# Altium PCB P01-AUDIO.PcbDoc (continued)
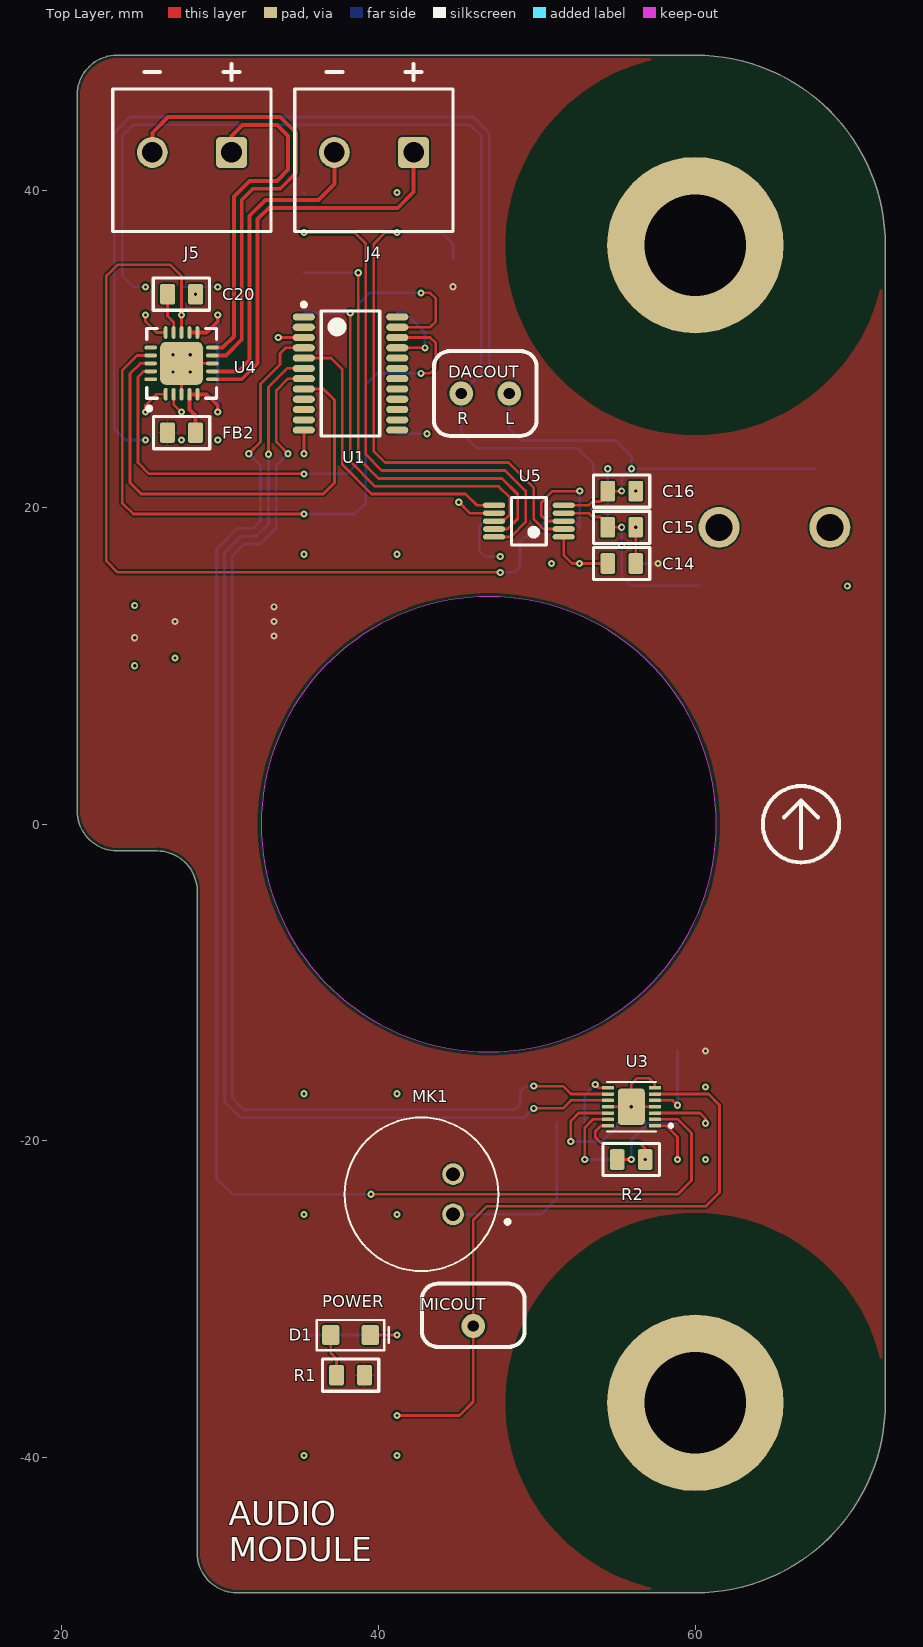
[diagram p0: Top Layer view]
## Footprints (in the part's own frame and the unit in brackets; to place one, negate y for a bottom-side part, rotate by r counter-clockwise, add the part's x,y. Pads: shape width x height; smd on the part's side, far side on the other; paste and mask are expansions set on the pad) (continued)
  silkscreen extent -3.07,-3.95 1.85,4.47, body extent -3.3,-3.95 3.3,3.95, height 1.09
RC0805FR-7W100KL [mm] "RES 100K OHM 1% 1/4W 0805"
  rrect25% 0.93x1.3 smd: 1(-0.885,0) 2(0.885,0)
  silkscreen extent -1.77,-1.02 1.78,1.02, body extent -1.02,-0.63 1.02,0.63, height 0.64
RC0805FR-7W330RL [mm] "RES 330 OHM 1% 1/4W 0805"
  rrect25% 0.93x1.3 smd: 1(-0.885,0) 2(0.885,0)
  silkscreen extent -1.77,-1.02 1.78,1.02, body extent -1.02,-0.64 1.01,0.63, height 0.64
RC0805FR-072K2L [mm] "RES 2.2K OHM 1% 1/8W 0805"
  rrect25% 0.93x1.3 smd: 1(-0.885,0) 2(0.885,0)
  silkscreen extent -1.77,-1.02 1.78,1.02, body extent -1.01,-0.63 1.02,0.64, height 0.64
RC0805FR-074K7L [mm] "RES 4.7K OHM 1% 1/8W 0805"
  rrect25% 0.93x1.3 smd: 1(-0.885,0) 2(0.885,0)
  silkscreen extent -1.77,-1.02 1.78,1.02, body extent -1.02,-0.64 1.01,0.63, height 0.64
RC0805FR-07150KL [mm] "RES 150K OHM 1% 1/8W 0805"
  rrect25% 0.93x1.3 smd: 1(-0.885,0) 2(0.885,0)
  silkscreen extent -1.77,-1.02 1.78,1.02, body extent -1.01,-0.63 1.02,0.64, height 0.64
SJ-3523-SMT-TR [mm] "CONN JACK STEREO 3.5MM SMD R/A"
  rrect25% 2.2x2.8 smd: 1(-1.1,-3.7) 3(0.9,3.7)
  rrect25% 2.8x2.8 smd: 2(8.3,-3.7)
  round 2.589 hole 1.7 unplated: ""(0,0) ""(7,0)
  silkscreen extent -2.6,-3 11,3, body extent -6,-4.5 11,4.5, height 5
TAJR104K035RNJ [mm] "CAP TANT 0.1UF 10% 35V 0805"
  rrect25% 0.93x1.3 smd: 1(-0.885,0) 2(0.885,0)
  silkscreen extent -1.77,-1.02 1.78,1.02, body extent -1.02,-0.65 1.02,0.65, height 1.2
TAJR106M006RNJ [mm] "CAP TANT 10UF 20% 6.3V 0805"
  rrect25% 0.93x1.3 smd: 1(-0.885,0) 2(0.885,0)
  silkscreen extent -1.77,-1.02 1.78,1.02, body extent -1.02,-0.65 1.02,0.65, height 1.2
TAJR225K020RNJ [mm] "CAP TANT 2.2UF 10% 20V 0805"
  rrect25% 0.93x1.3 smd: 1(-0.885,0) 2(0.885,0)
  silkscreen extent -1.77,-1.02 1.78,1.02, body extent -1.02,-0.65 1.02,0.65, height 1.2
TAJR474K020RNJ [mm] "CAP TANT 0.47UF 10% 20V 0805"
  rrect25% 0.93x1.3 smd: 1(-0.885,0) 2(0.885,0)
  silkscreen extent -1.77,-1.02 1.78,1.02, body extent -1.02,-0.65 1.02,0.65, height 1.2
TB001-500-02BE [mm] "TERMINAL BLOCK, SCREW TYPE, 5.00"
  rrect25% 1.95x1.95 / inner round 1.95 / far side rrect25% 1.95x1.95 hole 1.3: 1(0,0)
  round 1.95 hole 1.3: 2(5,0)
  silkscreen extent -2.5,-4 7.5,5, body extent -3,-4 7.5,5, height 12.5
TLV1117LV33DCYR [mm] "IC REG LINEAR 3.3V 1A SOT223-4"
  rrect25% 1.75x0.9 smd: 1(-3.125,2.3) 2(-3.125,0) 3(-3.125,-2.3)
  rrect25% 1.75x3.2 smd: 2(3.125,0)
  silkscreen extent -3.25,-3.35 1.95,3.42, body extent -3.5,-3.25 3.5,3.25, height 1.8
TPA2016D2RTJR [mm] "IC AMP CLASS D STEREO 2.8W 20QFN"
  oval 0.8x0.25 smd: 1(-1.95,1) 2(-1.95,0.5) 3(-1.95,0) 4(-1.95,-0.5) 5(-1.95,-1) 11(1.95,-1) 12(1.95,-0.5) 13(1.95,0) 14(1.95,0.5) 15(1.95,1)
  oval 0.25x0.8 smd: 6(-1,-1.95) 7(-0.5,-1.95) 8(0,-1.95) 9(0.5,-1.95) 10(1,-1.95) 16(1,1.95) 17(0.5,1.95) 18(0,1.95) 19(-0.5,1.95) 20(-1,1.95)
  round 0.5 hole 0.2: 21(-0.55,-0.55) 21(-0.55,0.55) 21(0.55,-0.55) 21(0.55,0.55)
  rrect25% 2.7x2.7 smd: 21(0,0)
  silkscreen extent -2.97,-2.2 2.2,2.2, body extent -2.02,-2.02 2.02,2.02, height 0.8

## Part data
C1 C2 C9 C10 C19 C20: library part CL21B105KAFNFNE, "CAP CER 1UF 25V X7R 0805", Capacitance="1 µF", Operating Temperature="-55°C ~ 125°C", Package / Case="0805 (2012 Metric)", Temperature Coefficient=X7R, Tolerance=±10%, Voltage - Rated=25V, Applications="General Purpose", Mounting Type="Surface Mount, MLCC", Size / Dimension="0.079\" L x 0.049\" W (2.00mm x 1.25mm)", Supplier 1="Arrow Electronics", Supplier Part Number 1=CL21B105KAFNFNE, Thickness (Max)="0.053\" (1.35mm)"
C3 C13 C14 C15 C16: library part CL21B104KACNNNC, "CAP CER 0.1UF 25V X7R 0805", Capacitance="0.1 µF", Operating Temperature="-55°C ~ 125°C", Package / Case="0805 (2012 Metric)", Temperature Coefficient=X7R, Tolerance=±10%, Voltage - Rated=25V, Applications="General Purpose", ComponentLink1Description=Datasheet, ComponentLink1URL=https://media.digikey.com/pdf/Data%20Sheets/Samsung%20PDFs/CL21B105KAFNNNE_Spec.pdf, Mounting Type="Surface Mount, MLCC", Size / Dimension="0.079\" L x 0.049\" W (2.00mm x 1.25mm)", Supplier 1="Arrow Electronics", Supplier Part Number 1=CL21B104KACNNNC, Thickness (Max)="0.037\" (0.95mm)"
C4 C6 C21: library part TAJR104K035RNJ, "CAP TANT 0.1UF 10% 35V 0805", Capacitance="0.1 µF", ESR (Equivalent Series Resistance)=29Ohm, Manufacturer Size Code=R, Operating Temperature="-55°C ~ 125°C", Package / Case="0805 (2012 Metric)", Supplier Part Number 1=478-8926-1-ND, Tolerance=±10%, Voltage - Rated="35 V", Features="General Purpose", Height - Seated (Max)="0.047\" (1.20mm)", Mounting Type="Surface Mount", Size / Dimension="0.081\" L x 0.051\" W (2.05mm x 1.30mm)", Supplier 1=Digi-Key, Type=Molded
C5 C8: library part TAJR225K020RNJ, "CAP TANT 2.2UF 10% 20V 0805", Capacitance="2.2 µF", ESR (Equivalent Series Resistance)=6Ohm, Manufacturer Size Code=R, Operating Temperature="-55°C ~ 125°C", Package / Case="0805 (2012 Metric)", Supplier Part Number 1=478-4693-1-ND, Tolerance=±10%, Voltage - Rated="20 V", Features="General Purpose", Height - Seated (Max)="0.047\" (1.20mm)", Mounting Type="Surface Mount", Size / Dimension="0.081\" L x 0.051\" W (2.05mm x 1.30mm)", Supplier 1=Digi-Key, Type=Molded
C7: library part TAJR474K020RNJ, "CAP TANT 0.47UF 10% 20V 0805", Capacitance="0.47 µF", ESR (Equivalent Series Resistance)=25Ohm, Manufacturer Size Code=R, Operating Temperature="-55°C ~ 125°C", Package / Case="0805 (2012 Metric)", Supplier Part Number 1=478-3964-1-ND, Tolerance=±10%, Voltage - Rated="20 V", Features="General Purpose", Height - Seated (Max)="0.047\" (1.20mm)", Mounting Type="Surface Mount", Size / Dimension="0.081\" L x 0.051\" W (2.05mm x 1.30mm)", Supplier 1=Digi-Key, Type=Molded
C11 C12: library part TAJR106M006RNJ, "CAP TANT 10UF 20% 6.3V 0805", Capacitance="10 µF", ESR (Equivalent Series Resistance)=6Ohm, Manufacturer Size Code=R, Operating Temperature="-55°C ~ 125°C", Package / Case="0805 (2012 Metric)", Tolerance=±20%, Voltage - Rated="6.3 V", Features="General Purpose", Height - Seated (Max)="0.047\" (1.20mm)", Mounting Type="Surface Mount", Size / Dimension="0.081\" L x 0.051\" W (2.05mm x 1.30mm)", Supplier 1="Arrow Electronics", Supplier Part Number 1=TAJR106M006RNJ, Type=Molded
C17 C18: library part CL21B106KPQNFNE, "CAP CER 10UF 10V X7R 0805", Capacitance="10 µF", Operating Temperature="-55°C ~ 125°C", Package / Case="0805 (2012 Metric)", Temperature Coefficient=X7R, Tolerance=±10%, Voltage - Rated=10V, Applications="General Purpose", Mounting Type="Surface Mount, MLCC", Size / Dimension="0.079\" L x 0.049\" W (2.00mm x 1.25mm)", Supplier 1="Arrow Electronics", Supplier Part Number 1=CL21B106KPQNFNE, Thickness (Max)="0.053\" (1.35mm)"
D1: "LED GREEN CLEAR CHIP SMD", Color=Green, Current - Test=20mA, Lens Color=Colorless, Millicandela Rating=12mcd, Package / Case="0805 (2012 Metric)", Supplier Device Package="Chip LED", Supplier Part Number 1=160-1423-1-ND, Voltage - Forward (Vf) (Typ)=2.1V, Configuration=Standard, Height (Max)=0.90mm, Lens Size="1.40mm x 1.25mm", Lens Style="Rectangle with Flat Top", Lens Transparency=Clear, Mounting Type="Surface Mount", Size / Dimension="2.00mm L x 1.25mm W", Supplier 1=Digi-Key, Viewing Angle=130°, Wavelength - Dominant=569nm, Wavelength - Peak=565nm
FB1 FB3: "FERRITE BEAD 1K OHM 0805 1LN", Current Rating (Max)=100mA, DC Resistance (DCR) (Max)=350mOhm, Impedance @ Frequency="1 kOhms @ 100 MHz", Operating Temperature="-55°C ~ 125°C", Package / Case="0805 (2012 Metric)", Supplier Part Number 1=541-2293-1-ND, Height (Max)="0.043\" (1.10mm)", Mounting Type="Surface Mount", Number of Lines=1, Size / Dimension="0.079\" L x 0.049\" W (2.00mm x 1.25mm)", Supplier 1=Digi-Key
FB2: "FERRITE BEAD 220 OHM 0805 1LN", Current Rating (Max)=2A, DC Resistance (DCR) (Max)=45mOhm, Impedance @ Frequency="220 Ohms @ 100 MHz", Operating Temperature="-55°C ~ 125°C", Package / Case="0805 (2012 Metric)", Filter Type="Power Line", Height (Max)="0.041\" (1.05mm)", Mounting Type="Surface Mount", Number of Lines=1, Size / Dimension="0.079\" L x 0.049\" W (2.00mm x 1.25mm)", Supplier 1="Arrow Electronics", Supplier Part Number 1=BLM21PG221SN1D
J1 J2: "CONN HDR 20POS 0.1 TIN SMD", Current Rating (Amps)=3A, Insulation Color=Black, Material Flammability Rating="UL94 V-0", Operating Temperature="-40°C ~ 125°C", Supplier Part Number 1=S5680-ND, Voltage Rating=250V, Connector Type=Header, Contact Finish - Mating=Tin, Contact Finish - Post=Tin, Contact Material="Phosphor Bronze", Contact Shape=Square, Contact Type="Female Socket", Fastening Type=Push-Pull, Insulation Height="0.299\" (7.60mm)", Insulation Material="Polyamide (PA6T), Nylon 6T", Mounting Type="Surface Mount", Number of Positions=20, Number of Positions Loaded=All, Number of Rows=2, Pitch - Mating="0.100\" (2.54mm)", Row Spacing - Mating="0.100\" (2.54mm)", Style="Board to Board", Supplier 1=Digi-Key, System=Connector, Termination=Solder
J3: "CONN JACK STEREO 3.5MM SMD R/A", Body Color=Black, Current Rating (Amps)="1 A", Operating Temperature="-25°C ~ 85°C", Supplier Part Number 1=CP-3523SJCT-ND, Voltage - Rated=12VDC, Actual Diameter="0.142\" (3.60mm)", Connector Type="Phone Jack", Contact Material="Brass, Copper Alloy", Contact Material - Plating=Silver, Features="Board Guide", Gender=Female, Housing Material="Polyamide (PA6T), Nylon 6T", Industry Recognized Mating Diameter="3.50mm (0.141\", 1/8\", Mini Plug) - Headphone", Internal Switch(s)="Does Not Contain Switch", Mating Length/Depth="0.551\" (14.00mm)", Mounting Type="Surface Mount, Right Angle", Number of Positions/Contacts="3 Conductors, 3 Contacts", Shielding=Unshielded, Signal Lines="Stereo (3 Conductor, TRS)", Supplier 1=Digi-Key, Termination=Solder
J4 J5: "TERMINAL BLOCK, SCREW TYPE, 5.00", Color=Blue, Current="15 A", Operating Temperature="-40°C ~ 105°C", Supplier Part Number 1=102-6134-ND, Voltage="300 V", Clamp Material - Plating="Steel, Stainless", Contact Material - Plating="Copper Alloy - Tin Plated", Features="Interlocking (Side)", Housing Material="Polybutylene Terephthalate (PBT)", Mating Orientation="Horizontal with Board", Mounting Type="Through Hole", Number of Levels=1, Pitch="0.197\" (5.00mm)", Positions Per Level=2, Screw Material - Plating="Steel - Zinc Plated", Screw Thread=M3, Supplier 1=Digi-Key, Torque - Screw="0.5 Nm (4.4 Lb-In)", Wire Gauge="12-22 AWG", Wire Termination="Screw - Leaf Spring, Wire Guard"
MK1: "MIC COND ANLG OMNI -44DB 0.382\"D", Current - Supply="500 µA", Frequency Range="20 Hz ~ 20 kHz", Voltage Range="3 V ~ 10 V", Direction=Omnidirectional, Height (Max)="0.183\" (4.65mm)", Impedance="2.2 kOhms", Output Type=Analog, Port Location=Top, S/N Ratio=60dB, Sensitivity="-44dB ±2dB", Shape=Circular, Size / Dimension="0.382\" Dia (9.70mm)", Supplier 1="Arrow Electronics", Supplier Part Number 1=CMA-4544PF-W, Termination="PC Pins", Type="Electret Condenser"
R1: library part RC0805FR-7W330RL, "RES 330 OHM 1% 1/4W 0805", Operating Temperature="-55°C ~ 155°C", Power (Watts)="0.25W, 1/4W", Resistance="330 Ohms", Supplier Device Package=0805, Supplier Part Number 1=603-RC0805FR-7W330RL, Temperature Coefficient=±100ppm/°C, Tolerance=±1%, Composition="Thick Film", Features="Moisture Resistant", Height - Seated (Max)="0.024\" (0.60mm)", Number of Terminations=2, Size / Dimension="0.079\" L x 0.049\" W (2.00mm x 1.25mm)", Supplier 1=Mouser
R2: library part RC0805FR-7W100KL, "RES 100K OHM 1% 1/4W 0805", Operating Temperature="-55°C ~ 155°C", Power (Watts)="0.25W, 1/4W", Resistance="100 kOhms", Supplier Device Package=0805, Supplier Part Number 1=603-RC0805FR-7W100KL, Temperature Coefficient=±100ppm/°C, Tolerance=±1%, Composition="Thick Film", Features="Moisture Resistant", Height - Seated (Max)="0.024\" (0.60mm)", Number of Terminations=2, Size / Dimension="0.079\" L x 0.049\" W (2.00mm x 1.25mm)", Supplier 1=Mouser
R3: library part RC0805FR-07150KL, "RES 150K OHM 1% 1/8W 0805", Operating Temperature="-55°C ~ 155°C", Package / Case="0805 (2012 Metric)", Power (Watts)="0.125W, 1/8W", Resistance="150 kOhms", Supplier Device Package=0805, Supplier Part Number 1=311-150KCRDKR-ND, Temperature Coefficient=±100ppm/°C, Tolerance=±1%, Composition="Thick Film", Features="Moisture Resistant", Height - Seated (Max)="0.024\" (0.60mm)", Number of Terminations=2, Size / Dimension="0.079\" L x 0.049\" W (2.00mm x 1.25mm)", Supplier 1=Digi-Key
R4: library part RC0805FR-072K2L, "RES 2.2K OHM 1% 1/8W 0805", Operating Temperature="-55°C ~ 155°C", Package / Case="0805 (2012 Metric)", Power (Watts)="0.125W, 1/8W", Resistance="2.2 kOhms", Supplier Device Package=0805, Supplier Part Number 1=311-2.20KCRDKR-ND, Temperature Coefficient=±100ppm/°C, Tolerance=±1%, Composition="Thick Film", Features="Moisture Resistant", Height - Seated (Max)="0.024\" (0.60mm)", Number of Terminations=2, Size / Dimension="0.079\" L x 0.049\" W (2.00mm x 1.25mm)", Supplier 1=Digi-Key
R5: library part RC0805FR-0720KL, "RES 20K OHM 1% 1/8W 0805", Operating Temperature="-55°C ~ 155°C", Package / Case="0805 (2012 Metric)", Power (Watts)="0.125W, 1/8W", Resistance="20 kOhms", Supplier Part Number 1=311-20.0KCRCT-ND, Temperature Coefficient=±100ppm/°C, Tolerance=±1%, Composition="Thick Film", Features="Moisture Resistant", Height - Seated (Max)="0.024\" (0.60mm)", Number of Terminations=2, Size / Dimension="0.079\" L x 0.049\" W (2.00mm x 1.25mm)", Supplier 1=Digi-Key
U1: "IC XPND 400KHZ I2C SMBUS 24TSSOP", Clock Frequency="400 kHz", Current - Output Source/Sink="10mA, 25mA", Operating Temperature="-40°C ~ 85°C", Package / Case="24-TSSOP (0.173\", 4.40mm Width)", Supplier Device Package=24-TSSOP, Supplier Part Number 1=24AC9600, Voltage - Supply="2.3V ~ 5.5V", Features=POR, Interface="I²C, SMBus", Interrupt Output=Yes, Mounting Type="Surface Mount", Number of I/O=16, Output Type=Push-Pull, Supplier 1=Newark
U2: "IC VREF SERIES 0.15% SOT23-5", Current - Output="4 mA", Current - Supply=7.25µA, Operating Temperature="-40°C ~ 85°C (TA)", Package / Case="SC-74A, SOT-753", Supplier Device Package=SOT-23-5, Supplier Part Number 1=MAX6029EUK33+TCT-ND, Temperature Coefficient=30ppm/°C, Tolerance=±0.15%, Voltage - Input="3.5V ~ 12.6V", Voltage - Output (Min/Fixed)=3.3V, Mounting Type="Surface Mount", Noise - 0.1Hz to 10Hz=56µVp-p, Noise - 10Hz to 10kHz=174µVrms, Output Type=Fixed, Reference Type=Series, Supplier 1=Digi-Key
U3: "IC AMP CLASS AB MONO 14TDFN", Operating Temperature="-40°C ~ 85°C (TA)", Package / Case="14-WFDFN Exposed Pad", Supplier Device Package="14-TDFN (3x3)", Supplier Part Number 1=MAX9814ETD+TCT-ND, Voltage - Supply="2.7V ~ 5.5V", Features="AGC, Microphone, Shutdown", Mounting Type="Surface Mount", Output Type="1-Channel (Mono)", Supplier 1=Digi-Key, Type="Class AB"
U4: "IC AMP CLASS D STEREO 2.8W 20QFN", Max Output Power x Channels @ Load="2.8W x 2 @ 4Ohm", Operating Temperature="-40°C ~ 85°C (TA)", Package / Case="20-WFQFN Exposed Pad", Supplier Device Package="20-QFN (4x4)", Supplier Part Number 1=296-25430-1-ND, Voltage - Supply="2.5V ~ 5.5V", Features="Differential Inputs, I²C, Short-Circuit and Thermal Protection, Shutdown, Volume Control", Mounting Type="Surface Mount", Output Type="2-Channel (Stereo)", Supplier 1=Digi-Key, Type="Class D"
U5: "IC DAC 12BIT V-OUT 10MSOP", Operating Temperature="-40°C ~ 125°C", Package / Case="10-TFSOP, 10-MSOP (0.118\", 3.00mm Width)", Supplier Device Package=10-MSOP, Supplier Part Number 1=MCP48FVB22-E/UN-ND, Voltage - Supply, Analog="2.7V ~ 5.5V", Architecture=R-2R, Data Interface=SPI, Differential Output=No, INL/DNL (LSB)="±1.5, ±0.2", Mounting Type="Surface Mount", Number of Bits=12, Number of D/A Converters=2, Output Type="Voltage - Buffered", Reference Type="External, Internal", Settling Time="7.8µs (Typ)", Supplier 1=Digi-Key, Voltage - Supply, Digital="2.7V ~ 5.5V"
VR1: "IC REG LINEAR 3.3V 1A SOT223-4", Current - Output=1A, Current - Quiescent (Iq)="100 µA", Operating Temperature="-40°C ~ 125°C", Package / Case="TO-261-4, TO-261AA", Supplier Part Number 1=296-28778-1-ND, Voltage - Input (Max)=5.5V, Voltage - Output (Min/Fixed)=3.3V, Voltage Dropout (Max)="1.3V @ 800mA", ComponentLink1Description=Datasheet, ComponentLink1URL=https://www.ti.com/lit/ds/symlink/tlv1117lv.pdf, Mounting Type="Surface Mount", Number of Regulators=1, Output Configuration=Positive, Output Type=Fixed, Protection Features="Over Current, Over Temperature", PSRR="75dB (120Hz)", Supplier 1=Digi-Key

## Free pads (board coordinates)
  round 11.14 hole 6.4: M(60,-36.561) M(60,36.561)

## Via types
v1: diameter 0.45, hole 0.2, Top Layer to Bottom Layer, 77 vias
v2: diameter 1.5, hole 0.711, Top Layer to Bottom Layer, 3 vias

## Nets (pads, with @x,y where several pads share a name; then routed paths per layer and width w, separated by ;. In a path a pad name is that pad's centre, name@x,y a point inside that pad or via, vN(x,y) a via of type N, cw(c..) or ccw(c..) an arc to the next point about the centre after c; other vN are vias at no path point)
+3V3: C2.2 FB1.2 FB2.1 FB3.1 R1.2 R5.2 U1.2 U1.24 VR1.2 | length 1.4
  Bottom Layer w0.171: FB3.1 v1@57.648,16.452
  other v1: 60.644,-14.332 24.591,11.767 33.385,11.866 27.135,12.791 33.385,12.791 33.385,13.716 57.648,16.452 44.697,33.929
+5V0: C1.2 C3.2 J1.2 U2.1 VR1.3 | length 0
\AMPMIC_SHDN: U1.4 U3.2 | length 93.1
  Top Layer w0.171: v1(31.795,23.384) 32.536,24.126 32.536,27.798 33.765,29.027 33.765,29.722 34.119,30.076 U1.4 ; v1(39.518,-23.384) 58.894,-23.384 59.759,-22.519 59.759,-19.521 58.894,-18.656 U3.2
  Bottom Layer w0.171: v1(31.795,23.384) 32.536,22.642 32.536,19.13 32.088,18.681 31.088,18.681 29.76,17.354 29.76,-22.376 30.768,-23.384 v1(39.518,-23.384)
\DAC_LAT: U1.5 U5.6 | length 19.4
  Top Layer w0.171: U1.5 37.002,29.426 37.709,28.718 37.709,22.689 39.554,20.844 45.49,20.844 46.203,20.131 U5.6
\DAC_SPICS: J1.3 R5.1 U5.2 | length 34.8
  Top Layer w0.171: v1(41.157,37.354) 40.4,37.354 39.693,36.647 39.693,23.534 40.4,22.827 48.201,22.827 49.787,21.241 49.787,19.261 50.416,18.631 U5.2
  Bottom Layer w0.171: v1(41.157,37.354) 43.99,37.354 44.697,36.647 R5.1
AMPMIC_AR: U1.7 U3.9 | length 74.4
  Top Layer w0.171: v1(34.278,23.384) 33.536,24.126 33.536,27.384 34.278,28.126 U1.7 ; v1(49.797,-16.555) 51.634,-16.555 52.135,-17.056 U3.9
  Bottom Layer w0.171: v1(34.278,23.384) 33.536,22.642 33.536,18.716 32.502,17.681 31.502,17.681 30.76,16.94 30.76,-14.768 30.76,-17.312 31.502,-18.054 48.59,-18.054 48.944,-17.7 48.944,-16.909 49.297,-16.555 v1(49.797,-16.555)
AMPMIC_GAIN: U1.6 U3.10 | length 74.7
  Top Layer w0.171: v1(33.036,23.352) 33.036,27.591 34.221,28.776 U1.6 ; v1(49.797,-17.957) 51.634,-17.957 52.135,-17.456 U3.10
  Bottom Layer w0.171: v1(33.036,23.352) 33.036,18.923 32.295,18.181 31.295,18.181 30.26,17.147 30.26,-14.468 30.26,-17.546 31.268,-18.554 49.2,-18.554 v1(49.797,-17.957)
AMPSPK_SDZ: U1.8 U4.18 | length 29.4
  Top Layer w0.171: U4.18 24.947,29.091 24.301,28.445 24.301,21.552 25.008,20.844 36.502,20.844 37.209,21.551 37.209,26.768 36.502,27.475 U1.8
AUDIO_MICOUT: J2.17 U3.6 | length 52.4
  Top Layer w0.171: v1(41.157,-37.354) 45.109,-37.354 45.974,-36.489 ; U3.6 60.827,-17.056 61.533,-17.762 61.533,-23.269 60.668,-24.134 46.839,-24.134 45.974,-24.999 45.974,-36.489 ; 45.974,-36.489 v2(45.974,-31.712) 45.974,-36.489
DAC_LEFT: C9.1 C16.2 J3.3 U5.5 | length 91.5
  Top Layer w0.171: U5.5 53.284,20.131 53.284,20.136 53.523,20.374 53.999,20.374 54.464,20.839 C16.2@54.464,21.201 ; C16.2 v1(55.349,21.024)
  Bottom Layer w0.171: v1(25.265,24.256) 24.007,24.256 23.3,24.963 23.3,43.658 24.301,44.658 45.982,44.658 46.982,43.658 46.982,28.464 v2(48.252,27.194) 48.252,24.934 48.96,24.227 54.973,24.227 55.974,23.226 v1(55.974,22.438) ; v1(55.349,21.024) 55.349,21.814 v1(55.974,22.438) ; J3.3 v1(55.974,22.438)
DAC_RIGHT: C10.1 C15.2 J3.2 U5.4 | length 81.5
  Top Layer w0.171: U5.4 53.284,19.631 ; 53.284,19.627 53.523,19.388 53.999,19.388 54.464,18.923 C15.2@54.464,18.553 ; C15.2 v1(55.349,18.738)
  Bottom Layer w0.171: v1(25.265,33.926) 24.508,33.926 23.801,34.633 23.801,43.451 24.508,44.158 45.775,44.158 46.482,43.451 46.482,28.464 v2(45.212,27.194) 45.212,24.727 46.213,23.727 52.574,23.727 53.575,22.726 53.575,17.949 53.929,17.595 v1(55.349,17.595) ; v1(55.349,18.738) v1(55.349,17.595) ; J3.2 55.973,15.038 55.349,15.663 v1(55.349,17.595)
GND: C1.1 C2.1 C3.1 C5.1 C6.1 C7.1 C8.1 C11.1 C12.1 C13.1 C14.1 C15.1 C16.1 C17.1 C18.1 C19.1 C20.1 C21.1 D1.K J1.1 J1.7 J1.13 J1.14 J1.19 J1.20 J2.1 J2.2 J2.7 J2.8 J2.13 J2.14 J2.19 J2.20 J3.1 MK1.N pad.M R2.2 U1.3 U1.12 U1.21 U2.2 U3.4 U3.7 U3.11 U3.15 U4.3 U4.8 U4.21 U5.7 VR1.1 | length 51.4
  Top Layer w0.171: U4.3 27.551,29.091 U4.8 ; v1(33.655,30.726) U1.3@35.273,30.726 ; U1.12 35.289,24.86 v1(35.289,23.384) ; D1.K v1(41.157,-32.274) ; U1.21@41.173,30.075 v1@42.926,30.075 ; v1(45.062,20.32) 45.751,19.631 U5.7 ; U3.11 v1(55.957,-17.856) ; R2.2 v1(55.953,-21.19) ; C14.1 v1(56.234,18.738) ; U3.4 v1(55.957,-17.856) ; U3.7 57.442,-16.41 57.089,-16.056 56.311,-16.056 55.957,-16.41 v1(55.957,-17.856)
  Bottom Layer w0.171: C21.1 v1(29.837,33.926) ; J2.14 v1(41.157,-32.274) ; v1(35.289,23.384) J1.14 ; J1.13 41.164,24.647 v1(43.045,24.647) ; J1.7 41.677,32.274 42.926,31.025 v1(42.926,30.075) ; v1(47.677,16.891) 46.715,16.891 46.361,17.245 46.361,18.778 46.715,19.131 U2.2 ; C11.1 54.472,18.738 C13.1 v1(54.472,22.438) ; v1(55.953,-21.19) 55.953,-19.974 56.838,-19.089 C7.1 ; v1(55.957,-17.856) 56.838,-18.737 C7.1 ; C5.1 C7.1
  other v1: 35.289,-39.894 41.157,-39.894 35.289,-24.654 41.157,-24.654 60.648,-21.19 35.289,-17.034 41.157,-17.034 60.648,-16.618 24.591,9.997 27.135,10.491 24.591,13.807 69.6,15.038 50.916,16.452 35.289,17.034 41.157,17.034 56.234,21.024 27.551,24.256 29.837,24.256 28.436,33.461 41.157,39.894
I2CBUS_B_SCL: J1.18 U1.22 U4.17 | length 43
  Top Layer w0.171: U4.17 24.74,29.591 23.801,28.651 23.801,20.281 24.508,19.574 v1(35.289,19.574) ; U1.22 43.255,30.726 43.609,30.372 43.609,28.818 43.256,28.464 v1(42.681,28.464)
  Bottom Layer w0.171: v1(35.289,19.574) 38.485,19.574 39.192,20.281 39.192,27.757 39.899,28.464 v1(42.681,28.464)
I2CBUS_B_SDA: J1.16 U1.23 U4.19 | length 40.3
  Top Layer w0.171: U4.19 25.154,28.591 24.801,28.237 24.801,22.821 25.508,22.114 v1(35.289,22.114) ; U1.23 43.255,31.376 43.609,31.729 43.609,33.19 43.255,33.544 v1(42.681,33.544)
  Bottom Layer w0.171: v1(35.289,22.114) 38.002,22.114 38.709,22.821 38.709,32.837 39.416,33.544 v1(42.681,33.544)
MIC: C4.1 MK1.P R4.1 | length 11.7
  Bottom Layer w0.171: MK1.P 50.25,-24.654 51.25,-23.654 R4.1 ; R4.1 C4.1
NetC4_2: C4.2 U3.8 | length 3.6
  Top Layer w0.171: v1(53.68,-16.457) 53.88,-16.656 U3.8
  Bottom Layer w0.171: C4.2 53.02,-17.117 v1(53.68,-16.457)
NetC5_2: C5.2 U3.3 | length 3.6
  Top Layer w0.171: U3.3 60.294,-18.256 60.648,-18.61 v1(60.648,-18.904)
NetC6_2: C6.2 U3.1 | length 3.2
  Top Layer w0.171: U3.1 58.171,-19.056 58.878,-19.763 v1(58.878,-21.19)
NetC7_2: C7.2 U3.12 | length 7.3
  Top Layer w0.171: v1(52.135,-20.046) 52.135,-18.757 52.636,-18.256 U3.12
  Bottom Layer w0.171: v1(52.135,-20.046) 54.111,-20.046 55.068,-19.089 C7.2
NetC8_2: C8.2 FB1.1 U3.5 | length 5
  Top Layer w0.171: U3.5 58.573,-17.456 v1(58.878,-17.762)
  Bottom Layer w0.171: FB1.1 58.878,-14.336 v1(58.878,-17.762)
NetC9_2: C9.2 U4.1 | length 2
  Top Layer w0.171: v1(25.265,26.026) 25.265,26.434 25.972,27.141 U4.1
NetC10_2: C10.2 U4.15 | length 2
  Top Layer w0.171: v1(25.265,32.156) 25.265,31.748 25.972,31.041 U4.15
NetC12_2: C12.2 C14.2 FB3.2 U5.1 | length 5.9
  Top Layer w0.171: U5.1 51.686,16.987 52.221,16.452 v1@52.694,16.452 ; v1(52.686,16.452) C14.2
  Bottom Layer w0.171: C12.2@52.694,16.452 FB3.2
NetC17_2: C17.2 C18.2 FB2.2 U4.4 U4.5 U4.11 U4.12 | length 13.7
  Top Layer w0.25: U4.12 U4.11 29.13,31.041 29.837,31.748 v1(29.837,32.156) ; FB2.2 28.432,25.795 28.051,26.176 U4.4 U4.5 29.13,27.141 29.837,26.434 v1(29.837,26.026)
  Bottom Layer w0.25: v1(29.837,26.026) v1(29.837,32.156)
NetC19_2: C19.2 U4.2 | length 1.3
  Top Layer w0.171: U4.2 27.051,26.485 27.511,26.026 v1(27.551,26.026)
NetC20_2: C20.2 U4.14 | length 2.6
  Top Layer w0.171: C20.2 26.666,32.076 27.051,31.691 U4.14
NetD1_A: D1.A R1.1 | length 2.7
  Top Layer w0.171: D1.A 36.973,-33.417 37.338,-33.782 R1.1
NetJ4_1: J4.1 U4.6 | length 25.4
  Top Layer w0.25: U4.6 31.354,28.091 32.354,29.091 32.354,38.208 33.061,38.915 41.205,38.915 42.205,39.915 J4.1
NetJ4_2: J4.2 U4.7 | length 19.9
  Top Layer w0.25: U4.7 31.147,28.591 31.854,29.298 31.854,38.415 32.854,39.415 36.205,39.415 37.205,40.415 J4.2
NetJ5_1: J5.1 U4.10 | length 21.9
  Top Layer w0.25: U4.10 30.146,30.091 30.853,30.798 30.853,39.622 31.853,40.622 33.579,40.622 34.286,41.33 34.286,43.451 33.579,44.158 31.872,44.158 31.412,44.158 30.705,43.451 J5.1
NetJ5_2: J5.2 U4.9 | length 28.9
  Top Layer w0.25: J5.2 25.705,43.658 26.705,44.658 32.079,44.658 33.786,44.659 34.786,43.658 34.786,41.123 33.786,40.123 32.06,40.122 31.353,39.415 31.353,30.591 30.353,29.591 U4.9
NetR2_1: R2.1 R3.2 U3.14 | length 5.5
  Top Layer w0.171: U3.14 54.034,-19.056 53.68,-19.41 53.68,-19.786 54.034,-20.14 56.484,-20.14 56.838,-20.493 v1(56.838,-21.19)
SPIBUS_B_CLK: J1.6 U5.9 | length 29.5
  Top Layer w0.171: v1(38.709,34.814) 38.709,23.103 39.986,21.827 47.786,21.827 48.787,20.827 48.787,19.278 48.14,18.631 U5.9
  Bottom Layer w0.171: J1.6 v1(38.709,34.814)
SPIBUS_B_MISO: J1.8 U5.8 | length 25.6
  Top Layer w0.171: v1(38.209,32.274) 38.209,22.896 39.778,21.327 47.579,21.327 48.286,20.62 48.286,19.558 47.86,19.131 U5.8
  Bottom Layer w0.171: J1.8 v1(38.209,32.274)
SPIBUS_B_MOSI: J1.4 U5.10 | length 32.9
  Top Layer w0.171: v1(35.289,37.354) 38.485,37.354 39.192,36.647 39.192,23.327 40.193,22.327 47.993,22.327 49.287,21.034 49.287,19.071 48.347,18.131 U5.10
VBIAS: R3.1 R4.2 U3.13 | length 5.7
  Top Layer w0.171: v1(53.02,-21.19) 53.02,-19.157 53.521,-18.656 U3.13
  Bottom Layer w0.171: v1(53.02,-21.19) R3.1
VREF: C11.2 C13.2 C21.2 U2.5 U4.13 U5.3 | length 67.2
  Top Layer w0.171: U4.13 v1(27.551,32.156) 27.551,34.608 26.844,35.315 23.507,35.315 22.8,34.608 22.8,16.598 23.507,15.891 v1(47.677,15.891) ; U5.3 50.623,19.131 50.27,19.485 50.27,20.317 50.977,21.024 v1(52.702,21.024)
  Bottom Layer w0.171: v1(47.677,15.891) 48.567,15.891 48.921,16.245 48.921,17.828 49.275,18.181 U2.5 50.166,18.736 50.52,19.089 52.343,19.089 C11.2 52.702,18.738 v1(52.702,21.024)
pads on no net: J1.5 J1.9 J1.10 J1.11 J1.12 J1.15 J1.17 J2.3 J2.4 J2.5 J2.6 J2.9 J2.10 J2.11 J2.12 J2.15 J2.16 J2.18 J3. U1.1 U1.9 U1.10 U1.11 U1.13 U1.14 U1.15 U1.16 U1.17 U1.18 U1.19 U1.20 U2.3 U2.4 U4.16 U4.20

## Polygon pours and split planes (outlines as drawn)
+5V0 on Bottom Layer "Bottom Polygon" (solid, remove dead copper, pour order 1): 20.955,0.841 ccw(c23.495,0.841) 23.495,-1.699 25.996,-1.698 cw(c25.996,-4.238) 28.536,-4.239 28.536,-46.021 ccw(c31.076,-46.021) 31.076,-48.562 60,-48.561 ccw(c60,-36.561) 72,-36.561 72,36.561 ccw(c60,36.561) 60,48.562 23.495,48.562 ccw(c23.495,46.021) 20.955,46.022
+3V3 on Top Layer "Top Polygon" (solid, remove dead copper, pour order 0): 20.955,0.841 ccw(c23.495,0.841) 23.495,-1.699 25.996,-1.698 cw(c25.996,-4.238) 28.536,-4.239 28.536,-46.021 ccw(c31.076,-46.021) 31.076,-48.562 60,-48.561 ccw(c60,-36.561) 72,-36.561 72,36.561 ccw(c60,36.561) 60,48.562 23.495,48.562 ccw(c23.495,46.021) 20.955,46.022
GND on Mid Layer 2 (split plane): 60,48.051 60.451,48.051 61.351,47.98 62.243,47.839 63.121,47.628 63.98,47.349 64.814,47.004 65.618,46.594 66.388,46.122 67.119,45.591 67.805,45.005 68.444,44.367 69.03,43.68 69.561,42.95 70.032,42.18 70.442,41.375 70.788,40.541 71.067,39.683 71.277,38.805 71.419,37.913 71.49,37.013 71.49,36.561 71.49,-36.562 71.49,-37.013 71.419,-37.913 71.277,-38.805 71.067,-39.683 70.788,-40.541 70.442,-41.375 70.032,-42.18 69.561,-42.95 69.03,-43.68 68.444,-44.367 67.805,-45.005 67.119,-45.591 66.388,-46.122 65.618,-46.594 64.814,-47.004 63.98,-47.349 63.121,-47.628 62.243,-47.839 61.351,-47.98 60.451,-48.051 30.876,-48.051 30.484,-47.973 30.115,-47.82 29.782,-47.598 29.5,-47.315 29.277,-46.983 29.124,-46.613 29.046,-46.221 29.046,-46.022 29.046,-46.021 29.046,-4.239 29.045,-4.226 29.046,-4.213 29.034,-3.965 29.028,-3.927 29.024,-3.89 28.927,-3.402 28.898,-3.306 28.708,-2.846 28.66,-2.758 28.384,-2.344 28.343,-2.294 28.32,-2.266 27.968,-1.914 27.891,-1.851 27.477,-1.574 27.389,-1.527 26.929,-1.336 26.833,-1.307 26.345,-1.21 26.307,-1.206 26.27,-1.201 26.021,-1.189 26.008,-1.189 25.996,-1.188 23.495,-1.188 23.295,-1.188 22.903,-1.11 22.534,-0.957 22.201,-0.735 21.919,-0.452 21.696,-0.12 21.543,0.249 21.465,0.642 21.465,0.841 21.465,46.022 21.465,46.221 21.543,46.614 21.696,46.983 21.919,47.315 22.201,47.598 22.534,47.82 22.903,47.973 23.295,48.051 23.495,48.051
GND on Mid Layer 1 (split plane): 60,48.051 60.451,48.051 61.351,47.98 62.243,47.839 63.121,47.628 63.98,47.349 64.814,47.004 65.618,46.594 66.388,46.122 67.119,45.591 67.805,45.005 68.444,44.367 69.03,43.68 69.561,42.95 70.032,42.18 70.442,41.375 70.788,40.541 71.067,39.683 71.277,38.805 71.419,37.913 71.49,37.013 71.49,36.561 71.49,-36.562 71.49,-37.013 71.419,-37.913 71.277,-38.805 71.067,-39.683 70.788,-40.541 70.442,-41.375 70.032,-42.18 69.561,-42.95 69.03,-43.68 68.444,-44.367 67.805,-45.005 67.119,-45.591 66.388,-46.122 65.618,-46.594 64.814,-47.004 63.98,-47.349 63.121,-47.628 62.243,-47.839 61.351,-47.98 60.451,-48.051 30.876,-48.051 30.484,-47.973 30.115,-47.82 29.782,-47.598 29.5,-47.315 29.277,-46.983 29.124,-46.613 29.046,-46.221 29.046,-46.022 29.046,-46.021 29.046,-4.239 29.045,-4.226 29.046,-4.213 29.034,-3.965 29.028,-3.927 29.024,-3.89 28.927,-3.402 28.898,-3.306 28.708,-2.846 28.66,-2.758 28.384,-2.344 28.343,-2.294 28.32,-2.266 27.968,-1.914 27.891,-1.851 27.477,-1.574 27.389,-1.527 26.929,-1.336 26.833,-1.307 26.345,-1.21 26.307,-1.206 26.27,-1.201 26.021,-1.189 26.008,-1.189 25.996,-1.188 23.495,-1.188 23.295,-1.188 22.903,-1.11 22.534,-0.957 22.201,-0.735 21.919,-0.452 21.696,-0.12 21.543,0.249 21.465,0.642 21.465,0.841 21.465,46.022 21.465,46.221 21.543,46.614 21.696,46.983 21.919,47.315 22.201,47.598 22.534,47.82 22.903,47.973 23.295,48.051 23.495,48.051

## Other copper
Top Layer:
  pour cut-out: 48,36.561 ccw(c60,36.561) 60,24.561 ccw(c60,36.561) 72,36.561 ccw(c60,36.561) 60,48.562 ccw(c60,36.561)
  pour cut-out: 48,-36.561 ccw(c60,-36.561) 60,-48.562 ccw(c60,-36.561) 72,-36.561 ccw(c60,-36.561) 60,-24.561 ccw(c60,-36.561)
Bottom Layer:
  pour cut-out: 51,-36.561 ccw(c60,-36.561) 60,-45.561 ccw(c60,-36.561) 69,-36.561 ccw(c60,-36.561) 60,-27.561 ccw(c60,-36.561)
  pour cut-out: 51,36.562 ccw(c60,36.562) 60,27.562 ccw(c60,36.562) 69,36.562 ccw(c60,36.562) 60,45.562 ccw(c60,36.562)

## Silkscreen, mask and mechanical layers (free items; w line width, h text height)
Top Overlay:
  circle w0.254: c66.675,-0.014 r2.413
  lines w0.254: 25.205,47.487 26.205,47.487 ; 30.205,47.487 31.205,47.487 ; 30.705,46.987 30.705,47.987 ; 36.705,47.487 37.705,47.487 ; 41.705,47.487 42.705,47.487 ; 42.205,46.987 42.205,47.987 ; 65.614,0.426 66.675,1.486 ; 66.675,-1.513 66.675,1.486 ; 67.735,0.426 66.675,1.486 ; 42.724,-32.012 ccw(c43.74,-32.012) 43.74,-33.028 48.208,-33.028 ccw(c48.208,-32.012) 49.224,-32.012 49.224,-30.044 ccw(c48.208,-30.044) 48.208,-29.028 43.74,-29.028 ccw(c43.74,-30.044) 42.724,-30.044 42.724,-32.012 ; 43.482,25.533 ccw(c44.498,25.533) 44.498,24.517 48.966,24.517 ccw(c48.966,25.533) 49.982,25.533 49.982,28.855 ccw(c48.966,28.855) 48.966,29.871 44.498,29.871 ccw(c44.498,28.855) 43.482,28.855 43.482,25.533
  text "DACOUT" at 44.396,28.194 h0.76
  text "R" at 44.958,25.254 h0.76
  text "L" at 47.999,25.254 h0.76
  text "POWER" at 36.446,-30.527 h0.76
  text "MICOUT" at 42.622,-30.705 h0.76
  text "AUDIO / MODULE" at 30.536,-46.562 h1.52
Bottom Overlay:
  text "02" at 33.088,39.513 h0.76
  text "01" at 44.374,39.513 h0.76
  text "20" at 33.088,16.653 h0.76
  text "19" at 44.501,16.653 h0.76
  text "02" at 33.088,-17.415 h0.76
  text "01" at 44.374,-17.415 h0.76
  text "20" at 33.088,-40.275 h0.76
  text "19" at 44.501,-40.275 h0.76
Mechanical 3:
  circle w0.127: c0,0 r0.064
  lines w0.254: -72,-36.558 ccw(c-60,-36.558) -60,-48.558 -13.043,-48.558 ccw(c-13.043,-47.288) -11.773,-47.288 -11.773,-29.331 cw(c-10.503,-29.331) -10.503,-28.061 5.397,-28.061 cw(c5.397,-29.331) 6.667,-29.331 6.667,-47.288 ccw(c7.937,-47.288) 7.937,-48.558 25.4,-48.558 60,-48.558 ccw(c60,-36.558) 72,-36.558 72,36.565 ccw(c60,36.565) 60,48.565 -60,48.565 ccw(c-60,36.565) -72,36.565 -72,-36.558
Mechanical 5:
  circle w0.254: c60,36.562 r9
  circle w0.254: c60,-36.561 r9
  circle w0.254: c60,36.561 r12
  circle w0.254: c-46.961,0 r14.375
  circle w0.254: c-60,-36.561 r3.3
  circle w0.254: c60,36.561 r3.3
  circle w0.254: c46.961,0 r14.375
  circle w0.254: c-60,36.561 r3.3
  circle w0.254: c60,-36.561 r12
  circle w0.254: c-60,-36.561 r12
  circle w0.254: c60,-36.561 r3.3
  circle w0.254: c-60,36.561 r12
  circle w0.127: c0,0 r0.064
  lines w0.254: -72,-36.561 ccw(c-60,-36.561) -60,-48.562 -31.076,-48.561 ccw(c-31.076,-46.022) -28.536,-46.021 -28.536,-4.238 cw(c-25.996,-4.239) -25.996,-1.699 -23.456,-1.698 -23.495,-1.698 ccw(c-23.495,0.841) -20.955,0.841 -20.955,46.022 ccw(c-23.495,46.022) -23.495,48.562 -60,48.562 ccw(c-60,36.561) -72,36.561 -72,-36.562 ; 20.955,0.841 ccw(c23.495,0.841) 23.495,-1.699 23.456,-1.698 25.996,-1.698 cw(c25.996,-4.239) 28.536,-4.239 28.536,-46.021 ccw(c31.076,-46.022) 31.076,-48.562 60,-48.561 ccw(c60,-36.561) 72,-36.561 72,36.561 ccw(c60,36.561) 60,48.562 23.495,48.562 ccw(c23.495,46.022) 20.955,46.022 20.955,0.842
Mechanical 15:
  lines w0.254: -70.004,-0.014 69.996,-0.014 ; -0.004,-46.575 -0.004,46.549